# Altium PCB RK_NVR_DEMO1_RK3588_LP4XD200P232SD8_V21_20211228_final_lint.PcbDoc (part 1 of 29) (continued)
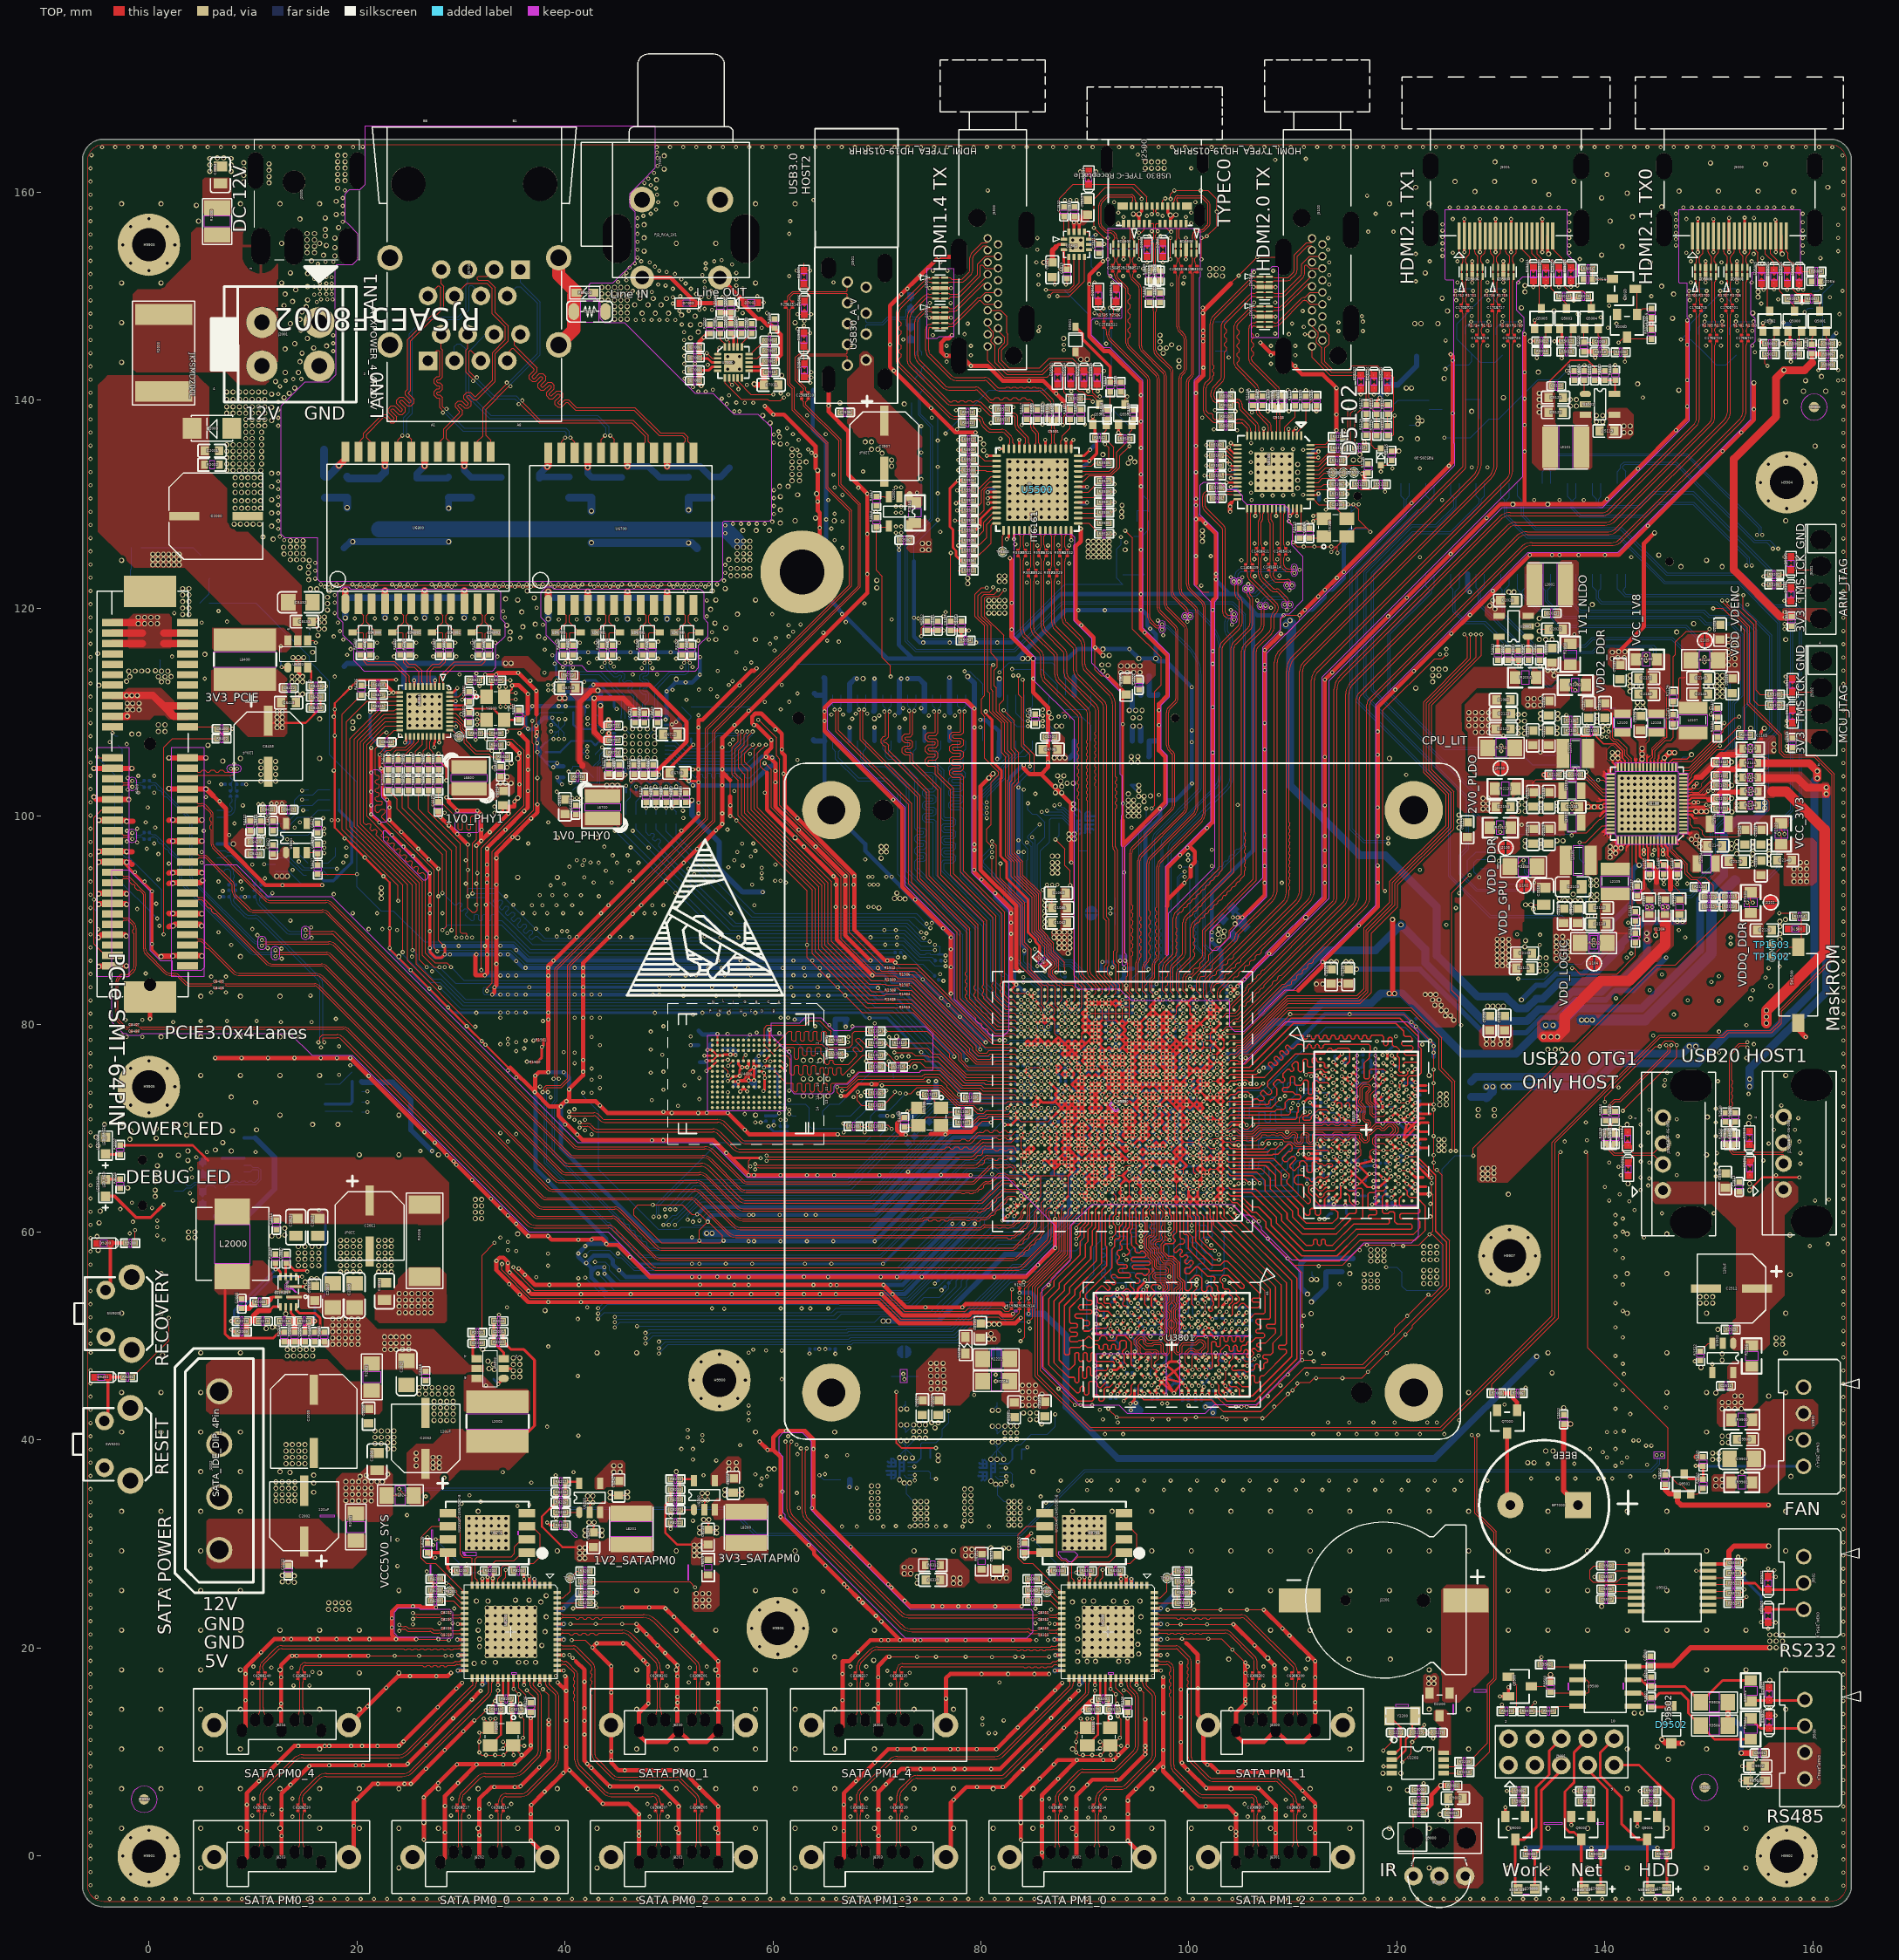
[diagram p0: TOP view]
## Classes and differential pairs (continued)
differential pair DP52: +DDR_CH1_DQS1N_C -DDR_CH1_DQS1P_C
differential pair DP51: +DDR_CH1_DQS0N_D -DDR_CH1_DQS0P_D
differential pair DP50: +DDR_CH1_DQS0N_C -DDR_CH1_DQS0P_C
differential pair DP49: +DDR_CH1_CLKN_D -DDR_CH1_CLKP_D
differential pair DP48: +DDR_CH1_CLKN_C -DDR_CH1_CLKP_C
differential pair DP47: +DDR_CH0_DQS1N_B -DDR_CH0_DQS1P_B
differential pair DP46: +DDR_CH0_DQS1N_A -DDR_CH0_DQS1P_A
differential pair DP45: +DDR_CH0_DQS0N_B -DDR_CH0_DQS0P_B
differential pair DP44: +DDR_CH0_DQS0N_A -DDR_CH0_DQS0P_A
differential pair DP40: +DDR_CH0_CLKN_B -DDR_CH0_CLKP_B
differential pair DP12: +DDR_CH0_CLKN_A -DDR_CH0_CLKP_A
differential pair MIPI_DPHY1_TX_CLK: +CKDP -MIPI_DPHY1_TX_CLKN
differential pair MIPI_DPHY1_TX_CLK: +CKDN -CKDP

## Components (designator, comment, footprint, x,y, rotation, side; value= is the part's Value field where it differs from the comment)
BP7000 "BEEP_0_BEEP_650_BEEP" BEEP_650 134.154,33.748 r180 top
C1000 "CAP NP_C0603_22UF" C0603#1 103.75,90.615 r315 bottom
C1001 "CAP NP_C0201_100NF" C0201#1 95.699,77.788 r270 bottom
C1002 "CAP NP_C0201_100NF" C0201#1 96.664,77.788 r270 bottom
C1003 "CAP NP_C0603_22UF" C0603#2 132.275,86.805 r0 bottom
C1004 "CAP NP_C0402_BGA_10UF" C0402_BGA#1 97.191,75.98 r0 bottom
C1005 "CAP NP_C0402_BGA_10UF" C0402_BGA#2 94.81,74.867 r90 bottom
C1006 "CAP NP_C0201_1UF" C0201#2 94.916,76.137 r180 bottom
C1007 "CAP NP_C0402_BGA_4.7UF" C0402_BGA#2 94.886,77.379 r270 bottom
C1010 "CAP NP_C0201_100NF" C0201#2 92.963,70.402 r180 bottom
C1013 "CAP NP_C0201_1UF" C0201#1 94.009,72.555 r270 bottom
C1014 "CAP NP_C0201_1UF" C0201#2 94.923,70.409 r0 bottom
C1015 "CAP NP_C0402_BGA_4.7UF" C0402_BGA#2 93.528,69.029 r90 bottom
C1016 "CAP NP_C0402_BGA_10UF" C0402_BGA#2 94.806,72.234 r270 bottom
C1017 "CAP NP_C0402_BGA_10UF" C0402_BGA#2 91.711,70.306 r270 bottom
C1018 "CAP NP_C0603_22UF" C0603#3 86.123,42.99 r90 bottom
C1019 "CAP NP_C0603_22UF" C0603#2 83.202,42.914 r270 top
C1020 "CAP NP_C0201_1UF" C0201#2 97.527,77.559 r0 bottom
C1022 "CAP NP_C0201_100NF" C0201#2 94.923,71.031 r0 bottom
C1023 "CAP NP_C0201_1UF" C0201#2 92.963,71.031 r180 bottom
C1024 "CAP NP_C0201_100NF" C0201#1 88.866,67.374 r90 bottom
C1025 "CAP NP_C0201_100NF" C0201#2 89.057,69.736 r180 bottom
C1027 "CAP NP_C0201_1UF" C0201#2 89.057,69.126 r180 bottom
C1028 "CAP NP_C0201_1UF" C0201#2 89.057,70.346 r180 bottom
C1029 "CAP NP_C0402_BGA_4.7UF" C0402_BGA#2 90.441,69.656 r270 bottom
C1030 "CAP NP_C0402_BGA_10UF" C0402_BGA#1 89.981,67.373 r0 bottom
C1031 "CAP NP_C0402_BGA_10UF" C0402_BGA#3 89.399,71.489 r315 bottom
C1032 "CAP NP_C0603_22UF" C0603#2 75.887,43.117 r270 top
C1033 "CAP NP_C0603_22UF" C0603#3 75.887,43.117 r90 bottom
C1034 "CAP NP_C0603_22UF" C0603#2 133.799,88.227 r180 bottom
C1035 "CAP NP_C0603_22UF" C0603#2 133.799,89.65 r180 bottom
C1036 "CAP NP_C0402_BGA_10UF" C0402_BGA#2 93.616,74.867 r90 bottom
C1037 "CAP NP_C0402_BGA_10UF" C0402_BGA#1 91.99,77.635 r180 bottom
C1038 "CAP NP_C0402_BGA_4.7UF" C0402_BGA#1 91.609,67.374 r180 bottom
C1039 "CAP NP_C0201_1UF" C0201#1 92.727,68.06 r270 bottom
C1040 "CAP NP_C0201_100NF" C0201#2 93.641,77.516 r0 bottom
C1041 "CAP NP_C0201_100NF" C0201#2 93.628,78.143 r0 bottom
C1042 "CAP NP_C0201_1UF" C0201#2 93.59,73.622 r180 bottom
C1043 "CAP NP_C0402_BGA_10UF" C0402_BGA#1 97.883,73.8 r0 bottom
C1045 "CAP NP_C0603_22UF" C0603#2 130.344,80.099 r90 top
C1046 "CAP NP_C0603_22UF" C0603#2 128.922,80.099 r90 top
C1047 "CAP NP_C0402_BGA_10UF" C0402_BGA#1 97.793,72.61 r0 bottom
C1048 "CAP NP_C0201_1UF" C0201#1 95.542,73.882 r270 bottom
C1049 "CAP NP_C0201_100NF" C0201#1 96.762,73.882 r270 bottom
C1050 "CAP NP_C0201_100NF" C0201#1 96.152,73.882 r270 bottom
C1051 "CAP NP_C0201_1UF" C0201#2 91.668,68.929 r0 bottom
C1052 "CAP NP_C0201_1UF" C0201#1 95.797,71.289 r90 bottom
C1054 "CAP NP_C0201_100NF" C0201#2 91.025,73.47 r0 bottom
C1057 "CAP NP_C0402_BGA_4.7UF" C0402_BGA#1 89.425,73.763 r180 bottom
C1058 "CAP NP_C0402_BGA_10UF" C0402_BGA#1 90.771,75.248 r180 bottom
C1059 "CAP NP_C0402_BGA_10UF" C0402_BGA#1 91.101,71.946 r0 bottom
C1060 "CAP NP_C0603_22UF" C0603#2 70.299,92.698 r180 bottom
C1061 "CAP NP_C0603_22UF" C0603#2 71.619,91.275 r180 bottom
C1062 "CAP NP_C0603_22UF" C0603#2 87.571,89.751 r180 top
C1063 "CAP NP_C0603_22UF" C0603#2 87.469,92.596 r180 top
C1064 "CAP NP_C0603_22UF" C0603#3 89.888,79.28 r270 bottom
C1065 "CAP NP_C0402_BGA_10UF" C0402_BGA#1 88.383,78.296 r180 bottom
C1066 "CAP NP_C0201_1UF" C0201#2 91.664,76.064 r0 bottom
C1069 "CAP NP_C0201_100NF" C0201#2 89.082,76.899 r180 bottom
C1070 "CAP NP_C0201_100NF" C0201#2 91.025,72.847 r0 bottom
C1071 "CAP NP_C0201_1UF" C0201#1 91.889,75.172 r270 bottom
C1072 "CAP NP_C0201_1UF" C0201#2 89.704,77.534 r180 bottom
C1073 "CAP NP_C0201_100NF" C0201#2 89.704,76.264 r180 bottom
C1080 "CAP NP_C0603_22UF" C0603#2 86.148,42.99 r270 top
C1081 "CAP NP_C0603_22UF" C0603#2 74.363,43.117 r270 top
C1082 "CAP NP_C0603_22UF" C0603#2 130.243,111.189 r0 top
C1083 "CAP NP_C0201_100NF" C0201#2 91.66,68.314 r0 bottom
C1085 "CAP NP_C0603_22UF" C0603#1 104.843,88.938 r315 bottom
C1086 "CAP NP_C0603_22UF" C0603#2 87.571,91.174 r180 top
C1100 "CAP NP_C0201_100NF" C0201#1 83.456,69.025 r270 bottom
C1101 "CAP NP_C0402_18PF" C0402#1 75.074,73.216 r180 top
C1102 "CAP NP_C0402_18PF" C0402#1 72.661,70.549 r90 top
C1103 "CAP NP_C0201_1UF" C0201#2 87.774,68.898 r0 bottom
C1104 "CAP NP_C0201_100NF" C0201#2 145.178,89.142 r180 top
C1105 "CAP NP_C0201_1UF" C0201#2 155.033,107.734 r90 top
C1106 "CAP NP_C0201_100NF" C0201#3 92.371,73.749 r225 bottom
C1107 "CAP NP_C0201_100NF" C0201#3 85.578,70.663 r225 bottom
C1109 "CAP NP_C0201_100NF" C0201#4 92.473,72.072 r135 bottom
C1110 "CAP NP_C0201_100NF" C0201#3 86.935,71.387 r225 bottom
C1111 "CAP NP_C0201_1UF" C0201#3 86.429,70.685 r225 bottom
C1112 "CAP NP_C0201_100NF" C0201#4 88.256,71.768 r315 bottom
C1113 "CAP NP_C0201_100NF" C0201#2 87.766,70.631 r0 bottom
C1200 "CAP NP_C0402_BGA_10UF" C0402_BGA#1 100.706,71.891 r0 bottom
C1201 "CAP NP_C0201_1UF" C0201#1 96.635,66.735 r90 bottom
C1202 "CAP NP_C0201_1UF" C0201#1 97.854,66.735 r90 bottom
C1203 "CAP NP_C0201_100NF" C0201#1 98.489,66.735 r90 bottom
C1204 "CAP NP_C0201_100NF" C0201#1 97.244,66.735 r90 bottom
C1205 "CAP NP_C0201_100NF" C0201#2 99.457,67.65 r0 bottom
C1206 "CAP NP_C0201_1UF" C0201#1 98.594,67.983 r270 bottom
C1207 "CAP NP_C0402_BGA_10UF" C0402_BGA#1 99.752,68.589 r0 bottom
C1208 "CAP NP_C0201_1UF" C0201#2 99.457,70.382 r0 bottom
C1209 "CAP NP_C0201_1UF" C0201#1 99.205,66.102 r90 bottom
C1210 "CAP NP_C0201_100NF" C0201#2 99.457,70.984 r0 bottom
C1211 "CAP NP_C0201_100NF" C0201#1 99.807,66.084 r90 bottom
C1212 "CAP NP_C0201_100NF" C0201#2 99.444,67.048 r0 bottom
C1213 "CAP NP_C0201_1UF" C0201#2 95.572,68.926 r180 bottom
C1214 "CAP NP_C0201_1UF" C0201#2 93.616,67.152 r180 bottom
C1215 "CAP NP_C0201_1UF" C0201#1 94.661,68.658 r270 bottom
C1216 "CAP NP_C0201_1UF" C0201#2 99.487,69.721 r180 bottom
C1217 "CAP NP_C0201_1UF" C0201#2 96.228,69.605 r180 bottom
C1218 "CAP NP_C0201_1UF" C0201#2 97.542,69.727 r0 bottom
C1219 "CAP NP_C0201_1UF" C0201#2 96.871,65.846 r0 bottom
C1220 "CAP NP_C0402_BGA_10UF" C0402_BGA#2 97.524,70.922 r90 bottom
C1221 "CAP NP_C0402_BGA_4.7UF" C0402_BGA#2 95.521,66.612 r90 bottom
C1223 "CAP NP_C0201_100NF" C0201#1 96.642,71.289 r270 bottom
C1224 "CAP NP_C0201_1UF" C0201#2 95.572,67.726 r180 bottom
C1225 "CAP NP_C0201_100NF" C0201#2 96.228,70.215 r180 bottom
C1226 "CAP NP_C0402_BGA_10UF" C0402_BGA#2 99.178,72.276 r270 bottom
C1227 "CAP NP_C0402_BGA_4.7UF" C0402_BGA#1 97.237,68.678 r0 bottom
C1228 "CAP NP_C0201_1UF" C0201#2 93.616,67.787 r180 bottom
C1229 "CAP NP_C0201_100NF" C0201#1 98.276,71.283 r90 bottom
C1231 "CAP NP_C0201_100NF" C0201#2 95.572,68.326 r180 bottom
C1232 "CAP NP_C0603_10UF" C0603#2 112.539,56.198 r180 bottom
C1300 "CAP NP_C0402_BGA_1UF" C0402_BGA#4 87.342,72.403 r45 bottom
C1301 "CAP NP_C0201_100NF" C0201#2 100.766,74.524 r0 bottom
C1302 "CAP NP_C0201_100NF" C0201#2 100.764,73.88 r0 bottom
C1404 "CAP NP_C0201_100NF" C0201#2 95.567,80.622 r180 bottom
C1405 "CAP NP_C0201_1UF" C0201#2 95.567,80.022 r180 bottom
C1406 "CAP NP_C0201_100NF" C0201#2 95.567,78.809 r180 bottom
C1407 "CAP NP_C0201_1UF" C0201#2 95.567,79.409 r180 bottom
C1408 "CAP NP_C0201_100NF" C0201#2 105.474,123.914 r90 top
C1409 "CAP NP_C0201_100NF" C0201#2 106.103,123.914 r90 top
C1410 "CAP NP_C0201_100NF" C0201#2 106.51,125.464 r90 top
C1411 "CAP NP_C0201_100NF" C0201#2 107.14,125.464 r90 top
C1412 "CAP NP_C0201_100NF" C0201#1 98.677,79.084 r90 bottom
C1413 "CAP NP_C0201_100NF" C0201#2 107.665,123.952 r90 top
C1414 "CAP NP_C0201_100NF" C0201#2 108.295,123.952 r90 top
C1415 "CAP NP_C0201_100NF" C0201#2 108.671,125.464 r90 top
C1416 "CAP NP_C0201_100NF" C0201#2 109.306,125.464 r90 top
C1417 "CAP NP_C0201_1UF" C0201#2 98.823,78.207 r0 bottom
C1418 "CAP NP_C0201_100NF" C0201#2 97.527,78.207 r180 bottom
C1419 "CAP NP_C0201_100NF" C0201#2 97.524,80.723 r0 bottom
C1420 "CAP NP_C0201_1UF" C0201#2 97.524,80.098 r0 bottom
C1421 "CAP NP_C0201_100NF" C0201#1 98.628,81.024 r270 bottom
C1422 "CAP NP_C0201_100NF" C0201#2 97.524,79.434 r0 bottom
C1423 "CAP NP_C0201_1UF" C0201#2 97.498,78.834 r0 bottom
C1500 "CAP NP_C0201_1NF" C0201#2 94.265,82.36 r180 bottom
C1501 "CAP NP_C0201_1NF" C0201#2 94.265,81.725 r180 bottom
C1502 "CAP NP_C0201_1NF" C0201#2 94.265,81.115 r180 bottom
C1503 "CAP NP_C0201_100NF" C0201#2 91.838,80.582 r180 bottom
C1504 "CAP NP_C0201_100NF" C0201#1 103.776,76.899 r90 bottom
C1505 "CAP NP_C0201_100NF" C0201#2 92.314,65.431 r0 bottom
C1506 "CAP NP_C0201_100NF" C0201#2 87.901,74.511 r180 bottom
C1600 "CAP NP_C0201_1UF" C0201#2 87.762,75.778 r180 bottom
C1601 "CAP NP_C0201_100NF" C0201#3 88.879,75.375 r45 bottom
C1602 "CAP NP_C0201_1UF" C0201#2 87.762,75.14 r180 bottom
C1603 "CAP NP_C0201_100NF" C0201#2 89.044,74.511 r0 bottom
C1604 "CAP NP_C0201_1UF" C0201#4 122.013,80.709 r135 bottom
C1606 "CAP NP_C0201_100NF" C0201#2 91.673,78.651 r180 bottom
C1607 "CAP NP_C0201_1UF" C0201#2 91.838,85.281 r180 bottom
C1608 "CAP NP_C0201_100NF" C0201#2 91.673,79.286 r180 bottom
C1609 "CAP NP_C0201_1UF" C0201#2 93.667,86.5 r0 bottom
C1610 "CAP NP_C0201_100NF" C0201#2 91.673,79.921 r180 bottom
C1611 "CAP NP_C0201_1UF" C0201#2 92.447,85.992 r180 bottom
C1700 "CAP NP_C0201_220NF" C0201#2 151.624,148.882 r90 top
C1701 "CAP NP_C0201_220NF" C0201#2 152.254,148.882 r90 top
C1702 "CAP NP_C0201_220NF" C0201#2 150.122,145.961 r90 top
C1703 "CAP NP_C0201_220NF" C0201#2 150.752,145.961 r90 top
C1704 "CAP NP_C0201_220NF" C0201#2 148.622,148.882 r90 top
C1705 "CAP NP_C0201_220NF" C0201#2 149.252,148.882 r90 top
C1706 "CAP NP_C0201_220NF" C0201#2 153.124,145.961 r90 top
C1707 "CAP NP_C0201_220NF" C0201#2 153.754,145.961 r90 top
C1709 "CAP NP_C0402_BGA_4.7UF" C0402_BGA#1 99.153,74.689 r180 bottom
C1710 "CAP NP_C0603_4.7UF" C0603#2 113.682,84.57 r90 top
C1711 "CAP NP_C0201_1UF" C0201#2 98.819,75.828 r180 bottom
C1713 "CAP NP_C0201_1UF" C0201#2 102.056,76.689 r0 bottom
C1714 "CAP NP_C0201_100NF" C0201#1 100.496,75.849 r90 bottom
C1715 "CAP NP_C0402_BGA_4.7UF" C0402_BGA#1 101.718,75.883 r0 bottom
C1716 "CAP NP_C0201_220NF" C0201#2 129.171,148.882 r90 top
C1717 "CAP NP_C0201_220NF" C0201#2 129.801,148.882 r90 top
C1718 "CAP NP_C0201_220NF" C0201#2 127.668,145.961 r90 top
C1719 "CAP NP_C0201_220NF" C0201#2 128.298,145.961 r90 top
C1720 "CAP NP_C0201_220NF" C0201#2 126.168,148.882 r90 top
C1721 "CAP NP_C0201_220NF" C0201#2 126.798,148.882 r90 top
C1722 "CAP NP_C0201_220NF" C0201#2 130.67,145.961 r90 top
C1723 "CAP NP_C0201_220NF" C0201#2 131.301,145.961 r90 top
C1724 "CAP NP_C0201_100NF" C0201#2 98.819,76.463 r180 bottom
C1725 "CAP NP_C0201_1UF" C0201#2 98.819,77.077 r180 bottom
C1726 "CAP NP_C0603_4.7UF" C0603#2 115.307,84.57 r90 top
C1727 "CAP NP_C0201_1UF" C0201#1 99.855,75.859 r270 bottom
C1729 "CAP NP_C0201_1UF" C0201#2 100.343,77.632 r180 bottom
C1730 "CAP NP_C0201_100NF" C0201#1 101.295,77.783 r270 bottom
C1731 "CAP NP_C0402_BGA_4.7UF" C0402_BGA#2 102.156,78.27 r270 bottom
C1801 "CAP NP_C0402_BGA_10UF" C0402_BGA#2 83.1,67.399 r90 bottom
C1803 "CAP NP_C0402_BGA_4.7UF" C0402_BGA#1 87.672,68.009 r0 bottom
C1804 "CAP NP_C0201_1UF" C0201#2 88.419,64.455 r180 bottom
C1805 "CAP NP_C0402_BGA_4.7UF" C0402_BGA#3 88.195,62.636 r135 bottom
C1806 "CAP NP_C0201_1UF" C0201#1 93.155,83.296 r90 bottom
C1807 "CAP NP_C0402_BGA_4.7UF" C0402_BGA#1 90.695,64.834 r0 bottom
C1808 "CAP NP_C0201_100NF" C0201#1 84.192,67.958 r90 bottom
C1810 "CAP NP_C0201_100NF" C0201#2 87.768,67.149 r0 bottom
C1812 "CAP NP_C0201_1UF" C0201#3 89.104,66.131 r225 bottom
C1813 "CAP NP_C0402_BGA_4.7UF" C0402_BGA#1 88.137,65.393 r180 bottom
C1814 "CAP NP_C0201_100NF" C0201#2 90.368,65.672 r0 bottom
C1815 "CAP NP_C0402_BGA_4.7UF" C0402_BGA#1 93.336,80.277 r0 bottom
C1816 "CAP NP_C0201_1UF" C0201#1 86.195,66.765 r90 bottom
C1819 "CAP NP_C0402_BGA_4.7UF" C0402_BGA#2 86.91,66.053 r90 bottom
C1901 "CAP NP_C0201_100NF" C0201#3 86.986,74.003 r225 bottom
C1902 "CAP NP_C0201_100NF" C0201#1 88.212,77.134 r270 bottom
C1903 "CAP NP_C0201_100NF" C0201#2 92.314,66.081 r0 bottom
C1905 "CAP NP_C0201_100NF" C0201#1 87.588,77.134 r270 bottom
C2000 "CAP_E_E7_100UF" E_E7 6.45,128.834 r0 top
C2001 "CAP NP_C0603_100NF" C0603#2 6.069,135.137 r0 top
C2002 "CAP_E_C6_120UF" E_C6 14.929,32.683 r0 top
C2003 "CAP NP_C0402_100NF" C0402#1 13.403,27.47 r270 top
C2004 "CAP NP_C0805_2.2UF" C0805#1 6.865,161.655 r90 top
C2005 "CAP_E_E7_100UF" E_E7 15.841,41.796 r270 top
C2006 "CAP NP_C0603_100NF" C0603#2 21.124,42.304 r270 top
C2007 "CAP NP_C1206_10UF" C1206#1 17.69,53.914 r90 top
C2008 "CAP NP_C0402_220NF" C0402#1 8.932,53.124 r90 top
C2009 "CAP NP_C1206_10UF" C1206#1 19.78,53.914 r90 top
C2010 "CAP NP_C0603_100NF" C0603#2 15.935,54.117 r90 top
C2011 "CAP_E_C6_120UF" E_C6 21.226,60.592 r180 top
C2012 "CAP NP_C0805_22UF" C0805#1 16.239,60.48 r270 top
C2013 "CAP NP_C0805_22UF" C0805#1 14.125,60.48 r270 top
C2014 "CAP NP_C0402_100NF" C0402#1 12.244,60.7 r270 top
C2015 "CAP NP_C0805_22UF" C0805#1 22.655,54.31 r90 top
C2017 "CAP NP_C0402_100NF" C0402#1 13.199,57.442 r90 top
C2019 "CAP NP_C0402_1UF" C0402#1 10.964,51.448 r0 top
C2020 "CAP NP_C0603_10UF" C0603#2 130.649,120.739 r0 top
C2021 "CAP NP_C0402_100PF" C0402#1 130.689,115.456 r90 top
C2022 "CAP NP_C0603_22UF" C0603#2 135.273,117.967 r180 top
C2023 "CAP NP_C0402_100NF" C0402#1 134.879,119.51 r180 top
C2024 "CAP NP_C0603_10UF" C0603#2 134.896,115.458 r90 top
C2025 "CAP NP_C0402_100NF" C0402#1 132.639,115.456 r270 top
C2026 "CAP NP_C0402_DNP" C0402#1 15.028,49.924 r90 top
C2027 "CAP NP_C1206_10UF" C1206#1 24.782,46.47 r270 top
C2028 "CAP NP_C0402_100NF" C0402#1 26.611,46.165 r270 top
C2029 "CAP NP_C0402_100NF" C0402#1 32.707,45.86 r180 bottom
C2030 "CAP NP_C0402_100NF" C0402#1 31.589,49.314 r0 top
C2031 "CAP NP_C0402_22PF" C0402#1 33.621,50.432 r180 top
C2032 "CAP_E_C6_120UF" E_C6 26.611,40.17 r0 top
C2033 "CAP NP_C0805_22UF" C0805#2 27.322,39.967 r270 bottom
C2034 "CAP NP_C0402_100NF" C0402#2 25.696,39.866 r270 bottom
C2035 "CAP NP_C0805_22UF" C0805#1 21.937,37.935 r90 top
C2100 "CAP NP_C0603_22UF" C0603#2 134.611,110.384 r270 top
C2101 "CAP NP_C0402_100PF" C0402#2 139.964,109.905 r90 bottom
C2102 "CAP NP_C0603_22UF" C0603#2 132.275,86.805 r0 top
C2103 "CAP NP_C0603_10UF" C0603#2 139.793,101.638 r0 bottom
C2104 "CAP NP_C0603_10UF" C0603#2 136.821,100.902 r180 top
C2105 "CAP NP_C0805_22UF" C0805#2 144.549,105.29 r90 bottom
C2106 "CAP NP_C0603_22UF" C0603#2 139.996,110.147 r270 top
C2107 "CAP NP_C0603_10UF" C0603#2 138.447,110.147 r270 top
C2108 "CAP NP_C0402_1UF" C0402#2 128.045,95.404 r270 bottom
C2109 "CAP NP_C0805_47UF" C0805#1 136.948,93.206 r0 top
C2110 "CAP NP_C0805_47UF" C0805#1 134.103,92.291 r270 top
C2111 "CAP NP_C0603_22UF" C0603#2 132.173,85.382 r0 top
C2114 "CAP NP_C0805_22UF" C0805#2 140.657,103.975 r90 bottom
C2115 "CAP NP_C0603_22UF" C0603#2 126.788,98.692 r90 top
C2116 "CAP NP_C0603_22UF" C0603#2 133.087,98.057 r270 top
C2117 "CAP NP_C0603_10UF" C0603#2 134.611,98.057 r270 top
C2118 "CAP NP_C0402_1UF" C0402#2 133.862,98.717 r90 bottom
C2119 "CAP NP_C0402_1UF" C0402#2 134.611,105.398 r90 bottom
C2120 "CAP NP_C0603_22UF" C0603#2 133.062,107.531 r90 top
C2121 "CAP NP_C0603_22UF" C0603#2 134.611,107.531 r90 top
C2122 "CAP NP_C0603_22UF" C0603#2 130.225,108.382 r0 top
C2123 "CAP NP_C0603_22UF" C0603#2 130.253,109.843 r0 top
C2126 "CAP NP_C0603_10UF" C0603#2 143.4,108.954 r90 top
C2127 "CAP NP_C0805_22UF" C0805#2 142.384,97.016 r270 bottom
C2128 "CAP NP_C0603_22UF" C0603#2 155.338,89.04 r0 top
C2129 "CAP NP_C0603_22UF" C0603#2 152.595,95.644 r0 top
C2130 "CAP NP_C0603_10UF" C0603#2 155.008,95.034 r90 top
C2131 "CAP NP_C0402_1UF" C0402#1 151.96,92.24 r180 top
C2132 "CAP NP_C0402_1UF" C0402#1 142.943,90.363 r90 top
C2133 "CAP NP_C0603_22UF" C0603#2 139.463,91.174 r180 top
C2134 "CAP NP_C0603_22UF" C0603#2 139.463,89.624 r180 top
C2135 "CAP NP_C0603_22UF" C0603#2 137.367,90.411 r90 top
C2136 "CAP NP_C0603_22UF" C0603#2 136.034,90.412 r90 top
C2137 "CAP NP_C0402_100PF" C0402#1 150.004,92.24 r180 top
C2138 "CAP NP_C0603_10UF" C0603#2 147.972,99.632 r180 bottom
C2139 "CAP NP_C0805_22UF" C0805#2 140.403,98.717 r270 bottom
C2140 "CAP NP_C0603_10UF" C0603#2 157.268,95.746 r180 top
C2141 "CAP NP_C0603_22UF" C0603#2 155.008,97.981 r270 top
C2142 "CAP NP_C0603_10UF" C0603#2 153.458,97.981 r270 top
C2143 "CAP NP_C0402_1UF" C0402#1 146.591,109.309 r270 top
C2144 "CAP NP_C0603_22UF" C0603#2 149.216,111.722 r0 top
C2145 "CAP NP_C0603_22UF" C0603#2 149.216,113.272 r0 top
C2146 "CAP NP_C0603_22UF" C0603#2 152.238,112.53 r270 top
C2147 "CAP NP_C0603_10UF" C0603#3 142.689,105.169 r90 bottom
C2148 "CAP NP_C0603_10UF" C0603#2 150.563,97.168 r0 top
C2149 "CAP NP_C0603_10UF" C0603#2 141.438,113.843 r270 top
C2150 "CAP NP_C0603_22UF" C0603#2 143.933,111.722 r180 top
C2151 "CAP NP_C0603_10UF" C0603#2 143.933,113.272 r180 top
C2152 "CAP NP_C0603_22UF" C0603#2 133.087,101.613 r270 top
C2153 "CAP NP_C0603_10UF" C0603#2 134.611,101.613 r270 top
C2154 "CAP NP_C0603_10UF" C0603#2 130.225,100.896 r0 top
C2155 "CAP NP_C0402_1UF" C0402#1 144.301,94.857 r270 top
C2156 "CAP NP_C0402_1UF" C0402#2 143.755,97.727 r270 bottom
C2157 "CAP NP_C0402_1UF" C0402#1 143.107,92.825 r90 top
C2158 "CAP NP_C0402_1UF" C0402#2 147.337,104.788 r90 bottom
C2159 "CAP NP_C0402_1UF" C0402#2 144.263,94.831 r90 bottom
C2160 "CAP NP_C0402_1UF" C0402#1 145.635,94.857 r270 top
C2161 "CAP NP_C0402_1UF" C0402#2 147.413,97.981 r270 bottom
C2162 "CAP NP_C0402_1UF" C0402#2 146.372,104.763 r90 bottom
C2163 "CAP NP_C0402_1UF" C0402#1 146.944,94.857 r270 top
C2164 "CAP NP_C0402_2.2UF" C0402#1 151.134,105.194 r0 top
C2165 "CAP NP_C0402_1NF" C0402#1 138.701,108.192 r180 top
C2166 "CAP NP_C0402_10NF" C0402#1 137.177,103.977 r180 top
C2167 "CAP NP_C0402_1UF" C0402#1 147.565,102.35 r180 bottom
C2168 "CAP NP_C0402_2.2UF" C0402#1 151.134,103.874 r0 top
C2169 "CAP NP_C0402_2.2UF" C0402#1 151.134,102.959 r0 top
C2170 "CAP NP_C0402_2.2UF" C0402#1 151.134,101.664 r0 top
C2171 "CAP NP_C0402_1UF" C0402#1 147.565,101.334 r180 bottom
C2172 "CAP NP_C0402_2.2UF" C0402#1 151.134,100.749 r0 top
C2173 "CAP NP_C0603_22UF" C0603#2 151.071,117.691 r90 top
C2200 "CAP NP_C0805_22UF" C0805#1 80.795,34.693 r0 bottom
C2201 "CAP NP_C0805_22UF" C0805#1 80.802,32.659 r0 bottom
C2202 "CAP NP_C0805_22UF" C0805#1 72.006,34.82 r0 bottom
C2203 "CAP NP_C0805_22UF" C0805#1 72.014,32.786 r0 bottom
C2204 "CAP NP_C0402_1UF" C0402#1 83.47,38.128 r180 bottom
C2205 "CAP NP_C0603_22UF" C0603#2 80.871,39.049 r0 bottom
C2206 "CAP NP_C0603_22UF" C0603#2 80.871,42.097 r0 bottom
C2207 "CAP NP_C0603_22UF" C0603#2 80.871,43.621 r0 bottom
C2208 "CAP NP_C0603_22UF" C0603#2 80.871,40.573 r0 bottom
C2209 "CAP NP_C0603_22UF" C0603#3 83.18,42.968 r90 bottom
C2210 "CAP NP_C0402_1UF" C0402#1 74.682,38.255 r180 bottom
C2211 "CAP NP_C0603_22UF" C0603#2 72.083,39.176 r0 bottom
C2212 "CAP NP_C0603_22UF" C0603#2 72.083,42.224 r0 bottom
C2213 "CAP NP_C0603_22UF" C0603#2 72.083,43.748 r0 bottom
C2214 "CAP NP_C0603_22UF" C0603#2 72.083,40.7 r0 bottom
C2215 "CAP NP_C0603_22UF" C0603#3 74.392,43.095 r90 bottom
C2218 "CAP NP_C0805_22UF" C0805#1 89.603,104.178 r180 bottom
C2219 "CAP NP_C0805_22UF" C0805#1 89.603,102.146 r180 bottom
C2220 "CAP NP_C0402_1UF" C0402#1 87.063,99.302 r180 bottom
C2221 "CAP NP_C0805_47UF" C0805#1 88.993,94.349 r180 bottom
C2222 "CAP NP_C0805_47UF" C0805#1 88.993,96.508 r180 bottom
C2223 "CAP NP_C0603_22UF" C0603#2 88.383,92.571 r180 bottom
C2224 "CAP NP_C0603_22UF" C0603#2 88.383,91.174 r180 bottom
C2225 "CAP NP_C0603_22UF" C0603#2 88.383,89.751 r180 bottom
C2227 "CAP NP_C0402_12PF" C0402#1 119.91,11.87 r180 top
C2228 "CAP NP_C0402_100NF" C0402#1 123.939,11.87 r180 top
C2229 "CAP NP_C0402_DNP" C0402#1 121.926,11.87 r0 top
C2230 "CAP NP_C0603_22UF" C0603#2 79.951,50.534 r90 top
C2501 "CAP NP_C0201_100NF" C0201#2 98.645,152.591 r90 top
C2502 "CAP NP_C0201_100NF" C0201#2 99.28,152.592 r90 top
C2503 "CAP NP_C0402_1UF" C0402#1 98.569,144.437 r180 bottom
C2504 "CAP NP_C1206_22UF" C1206#1 99.631,152.235 r180 bottom
C2505 "CAP NP_C0603_100NF" C0603#3 102.658,150.102 r90 bottom
C2506 "CAP NP_C0402_1UF" C0402#1 72.635,126.53 r180 top
C2507 "CAP_E_C6_120UF" E_C6 70.705,135.573 r180 top
C2508 "CAP NP_C0402_100NF" C0402#1 66.946,138.824 r180 top
C2509 "CAP NP_C0201_100NF" C0201#2 62.755,140.444 r90 top
C2510 "CAP NP_C0201_100NF" C0201#2 63.39,140.444 r90 top
C2511 "CAP NP_C0402_1UF" C0402#1 151.629,45.225 r180 top
C2512 "CAP_E_C6_120UF" E_C6 152.163,54.572 r90 top
C2513 "CAP NP_C0402_100NF" C0402#1 152.899,64.351 r90 top
C2515 "CAP NP_C0603_10UF" C0603#2 151.579,64.961 r90 top
C2516 "CAP NP_C0603_100NF" C0603#2 86.859,152.54 r270 top
C2517 "CAP NP_C0603_10UF" C0603#2 90.263,158.534 r90 top
C2518 "CAP NP_C0402_100NF" C0402#1 88.993,158.128 r90 top
C2519 "CAP NP_C0402_1UF" C0402#1 88.282,152.134 r270 top
C2520 "CAP NP_C0402_220PF" C0402#1 87.977,158.128 r90 top
C2521 "CAP NP_C0402_220PF" C0402#1 91.33,154.572 r270 top
C2522 "CAP NP_C0201_100NF" C0201#2 92.549,147.257 r90 top
C2523 "CAP NP_C0201_100NF" C0201#2 91.838,147.257 r90 top
C2524 "CAP NP_C0201_100NF" C0201#2 92.651,152.692 r90 top
C2525 "CAP NP_C0201_100NF" C0201#2 93.286,152.693 r90 top
C2526 "CAP NP_C0805_10UF" C0805#2 98.34,147.054 r90 bottom
C2528 "CAP NP_C1206_22UF" C1206#2 96.613,160.058 r270 bottom
C3800 "CAP NP_C0603_10UF" C0603#3 122.572,65.596 r90 bottom
C3801 "CAP NP_C0603_10UF" C0603#2 126.416,71.536 r0 bottom
C3802 "CAP NP_C0201_100NF" C0201#1 122.191,73.47 r270 bottom
C3803 "CAP NP_C0201_100NF" C0201#2 115.993,66.917 r0 bottom
C3804 "CAP NP_C0201_100NF" C0201#2 115.587,72.657 r0 bottom
C3805 "CAP NP_C0201_100NF" C0201#2 118.787,72.796 r180 bottom
C3806 "CAP NP_C0201_100NF" C0201#2 111.65,65.977 r180 bottom
C3807 "CAP NP_C0201_100NF" C0201#2 118.656,66.634 r180 bottom
C3808 "CAP NP_C0201_100NF" C0201#2 111.523,73.724 r180 bottom
C3809 "CAP NP_C0603_22UF" C0603#2 117.568,68.593 r0 bottom
C3810 "CAP NP_C0603_10UF" C0603#2 114.444,61.786 r180 bottom
C3811 "CAP NP_C0603_10UF" C0603#2 120.159,69.761 r180 bottom
C3812 "CAP NP_C0402_1UF" C0402#1 117.365,71.565 r0 bottom
C3813 "CAP NP_C0402_1UF" C0402#1 119.168,77.864 r180 bottom
C3814 "CAP NP_C0201_100NF" C0201#2 112.729,68.072 r180 bottom
C3815 "CAP NP_C0201_100NF" C0201#1 122.191,72.327 r90 bottom
C3816 "CAP NP_C0201_100NF" C0201#1 116.984,66.612 r270 bottom
C3817 "CAP NP_C0201_100NF" C0201#2 114.19,70.701 r0 bottom
C3818 "CAP NP_C0201_100NF" C0201#1 122.216,71.184 r270 bottom
C3819 "CAP NP_C0201_100NF" C0201#1 118.228,73.749 r270 bottom
C3820 "CAP NP_C0201_100NF" C0201#2 119.27,62.802 r0 bottom
C3821 "CAP NP_C0201_100NF" C0201#1 115.206,76.518 r270 bottom
C3822 "CAP NP_C0201_100NF" C0201#2 112.793,70.701 r0 bottom
C3823 "CAP NP_C0201_100NF" C0201#1 122.191,68.263 r270 bottom
C3824 "CAP NP_C0603_22UF" C0603#3 116.984,73.597 r90 bottom
C3825 "CAP NP_C0603_10UF" C0603#3 121.001,63.186 r90 bottom
C3826 "CAP NP_C0603_10UF" C0603#3 116.984,64.199 r270 bottom
C3827 "CAP NP_C0402_1UF" C0402#2 120.184,76.34 r270 bottom
C3828 "CAP NP_C0402_1UF" C0402#1 114.999,64.025 r180 bottom
C3829 "CAP NP_C0201_100NF" C0201#1 114.063,77.153 r270 bottom
C3830 "CAP NP_C0201_100NF" C0201#2 121.048,74.359 r180 bottom
C3831 "CAP NP_C0201_100NF" C0201#1 118.889,64.25 r270 bottom
C3832 "CAP NP_C0201_100NF" C0201#2 112.666,74.613 r0 bottom
C3833 "CAP NP_C0201_100NF" C0201#1 118.403,63.154 r90 bottom
C3834 "CAP NP_C0201_100NF" C0201#1 120.517,67.12 r270 bottom
C3835 "CAP NP_C0201_100NF" C0201#2 118.381,75.502 r180 bottom
C3836 "CAP NP_C0201_100NF" C0201#1 118.257,64.677 r90 bottom
C3837 "CAP NP_C0201_100NF" C0201#1 113.428,63.056 r90 bottom
C3838 "CAP NP_C0201_100NF" C0201#1 116.73,75.629 r90 bottom
C3839 "CAP NP_C0201_100NF" C0201#2 113.174,65.469 r180 bottom
C3840 "CAP NP_C0201_100NF" C0201#2 111.65,65.088 r180 bottom
C3841 "CAP NP_C0201_100NF" C0201#1 117.492,75.629 r90 bottom
C3842 "CAP NP_C0201_100NF" C0201#1 116.019,73.698 r90 bottom
C3843 "CAP NP_C0603_10UF" C0603#3 128.617,72.174 r90 bottom
C3844 "CAP NP_C0201_1NF" C0201#1 121.429,67.145 r90 bottom
C3845 "CAP NP_C0603_10UF" C0603#2 96.029,42.863 r0 bottom
C3846 "CAP NP_C0603_10UF" C0603#2 103.014,43.371 r0 bottom
C3847 "CAP NP_C0201_100NF" C0201#1 101.769,54.547 r270 bottom
C3848 "CAP NP_C0201_100NF" C0201#2 102.147,44.739 r0 bottom
C3849 "CAP NP_C0201_100NF" C0201#1 94.606,47.435 r270 bottom
C3850 "CAP NP_C0201_100NF" C0201#1 102.121,47.152 r270 bottom
C3851 "CAP NP_C0201_100NF" C0201#4 101.109,50.356 r315 bottom
C3852 "CAP NP_C0201_100NF" C0201#2 95.394,50.305 r0 bottom
C3853 "CAP NP_C0201_100NF" C0201#1 95.267,55.004 r90 bottom
C3854 "CAP NP_C0603_22UF" C0603#2 100.982,49.086 r0 bottom
C3855 "CAP NP_C0603_10UF" C0603#2 95.648,49.213 r0 bottom
C3856 "CAP NP_C0603_10UF" C0603#3 98.569,46.165 r270 bottom
C3857 "CAP NP_C0402_1UF" C0402#1 96.918,48.095 r0 bottom
C3858 "CAP NP_C0402_1UF" C0402#2 91.711,47.308 r270 bottom
C3859 "CAP NP_C0201_100NF" C0201#2 99.657,43.875 r0 bottom
C3860 "CAP NP_C0201_100NF" C0201#1 91.33,50.483 r90 bottom
C3861 "CAP NP_C0201_100NF" C0201#2 100.855,48.095 r0 bottom
C3862 "CAP NP_C0201_100NF" C0201#2 100.927,43.875 r0 bottom
C3863 "CAP NP_C0201_100NF" C0201#1 99.077,52.261 r270 bottom
C3864 "CAP NP_C0201_100NF" C0201#2 97.045,50.229 r0 bottom
C3865 "CAP NP_C0201_100NF" C0201#1 106.015,51.775 r270 bottom
C3866 "CAP NP_C0201_100NF" C0201#2 102.506,50.254 r180 bottom
C3867 "CAP NP_C0201_100NF" C0201#1 106.065,46.948 r90 bottom
C3868 "CAP NP_C0201_100NF" C0201#2 96.715,43.955 r0 bottom
C3869 "CAP NP_C0603_22UF" C0603#2 105.046,48.832 r0 bottom
C3870 "CAP NP_C0603_10UF" C0603#2 91.431,45.25 r180 bottom